# Allegro board RUBUS_20173009.brd
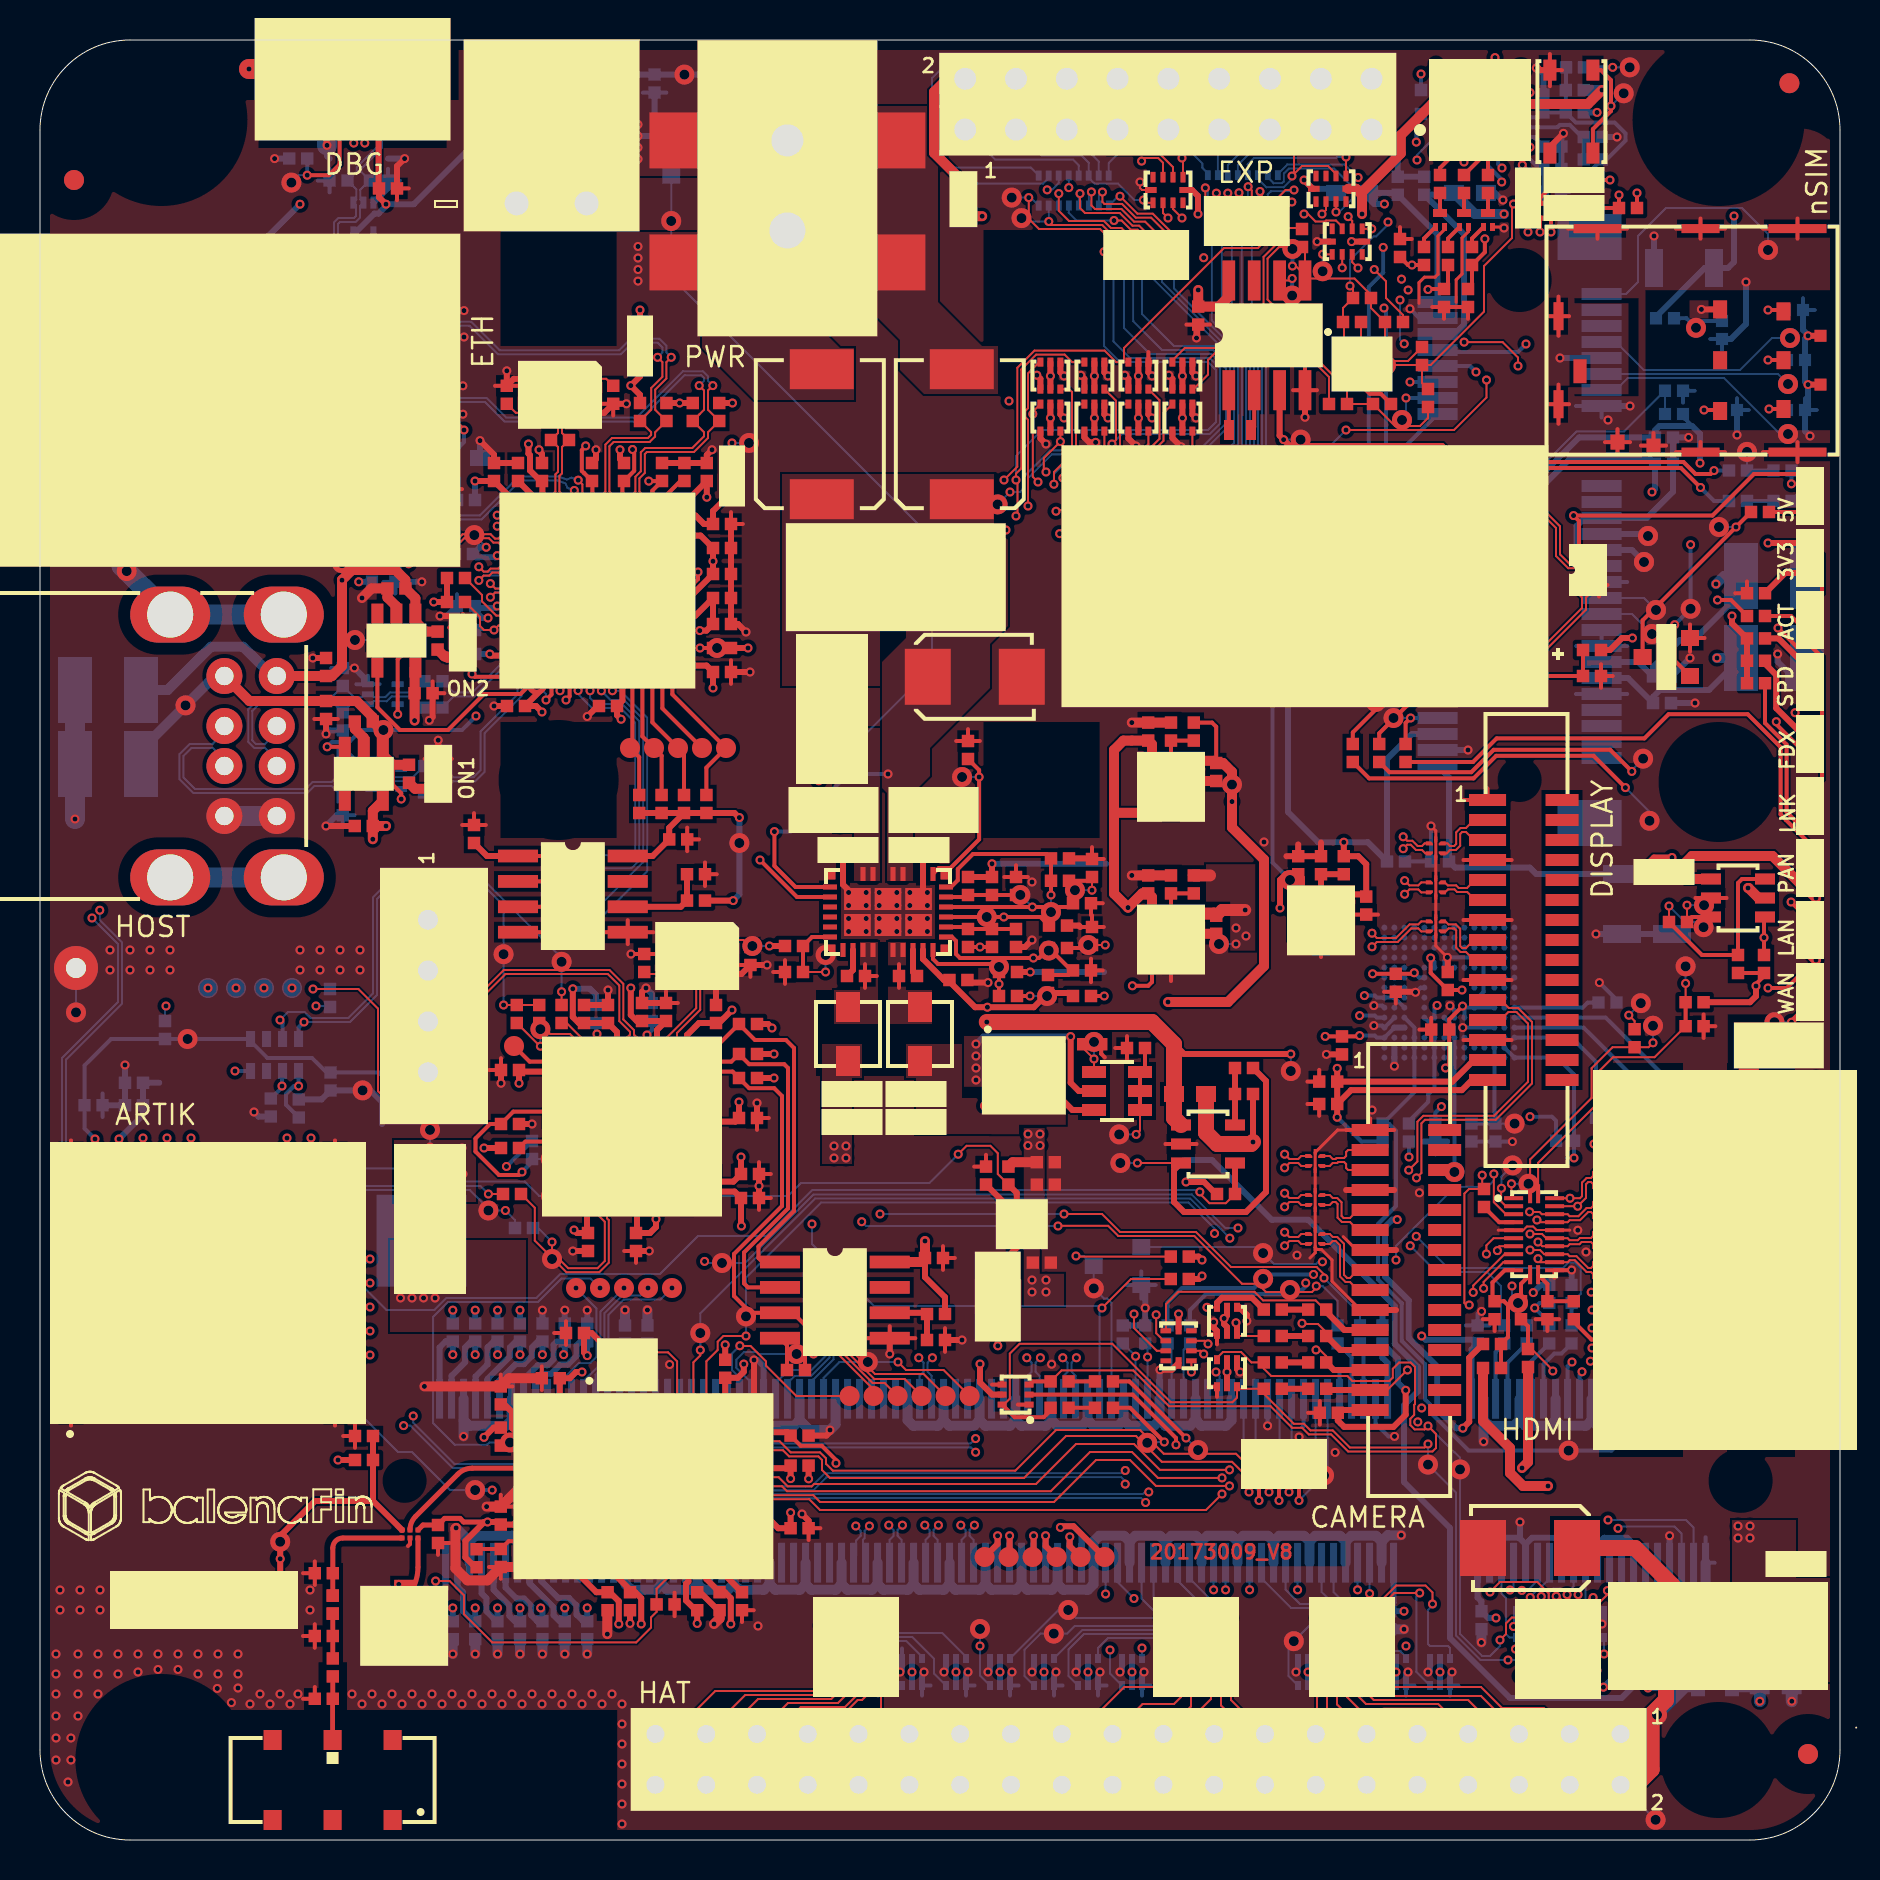
[diagram p0: board, top side]
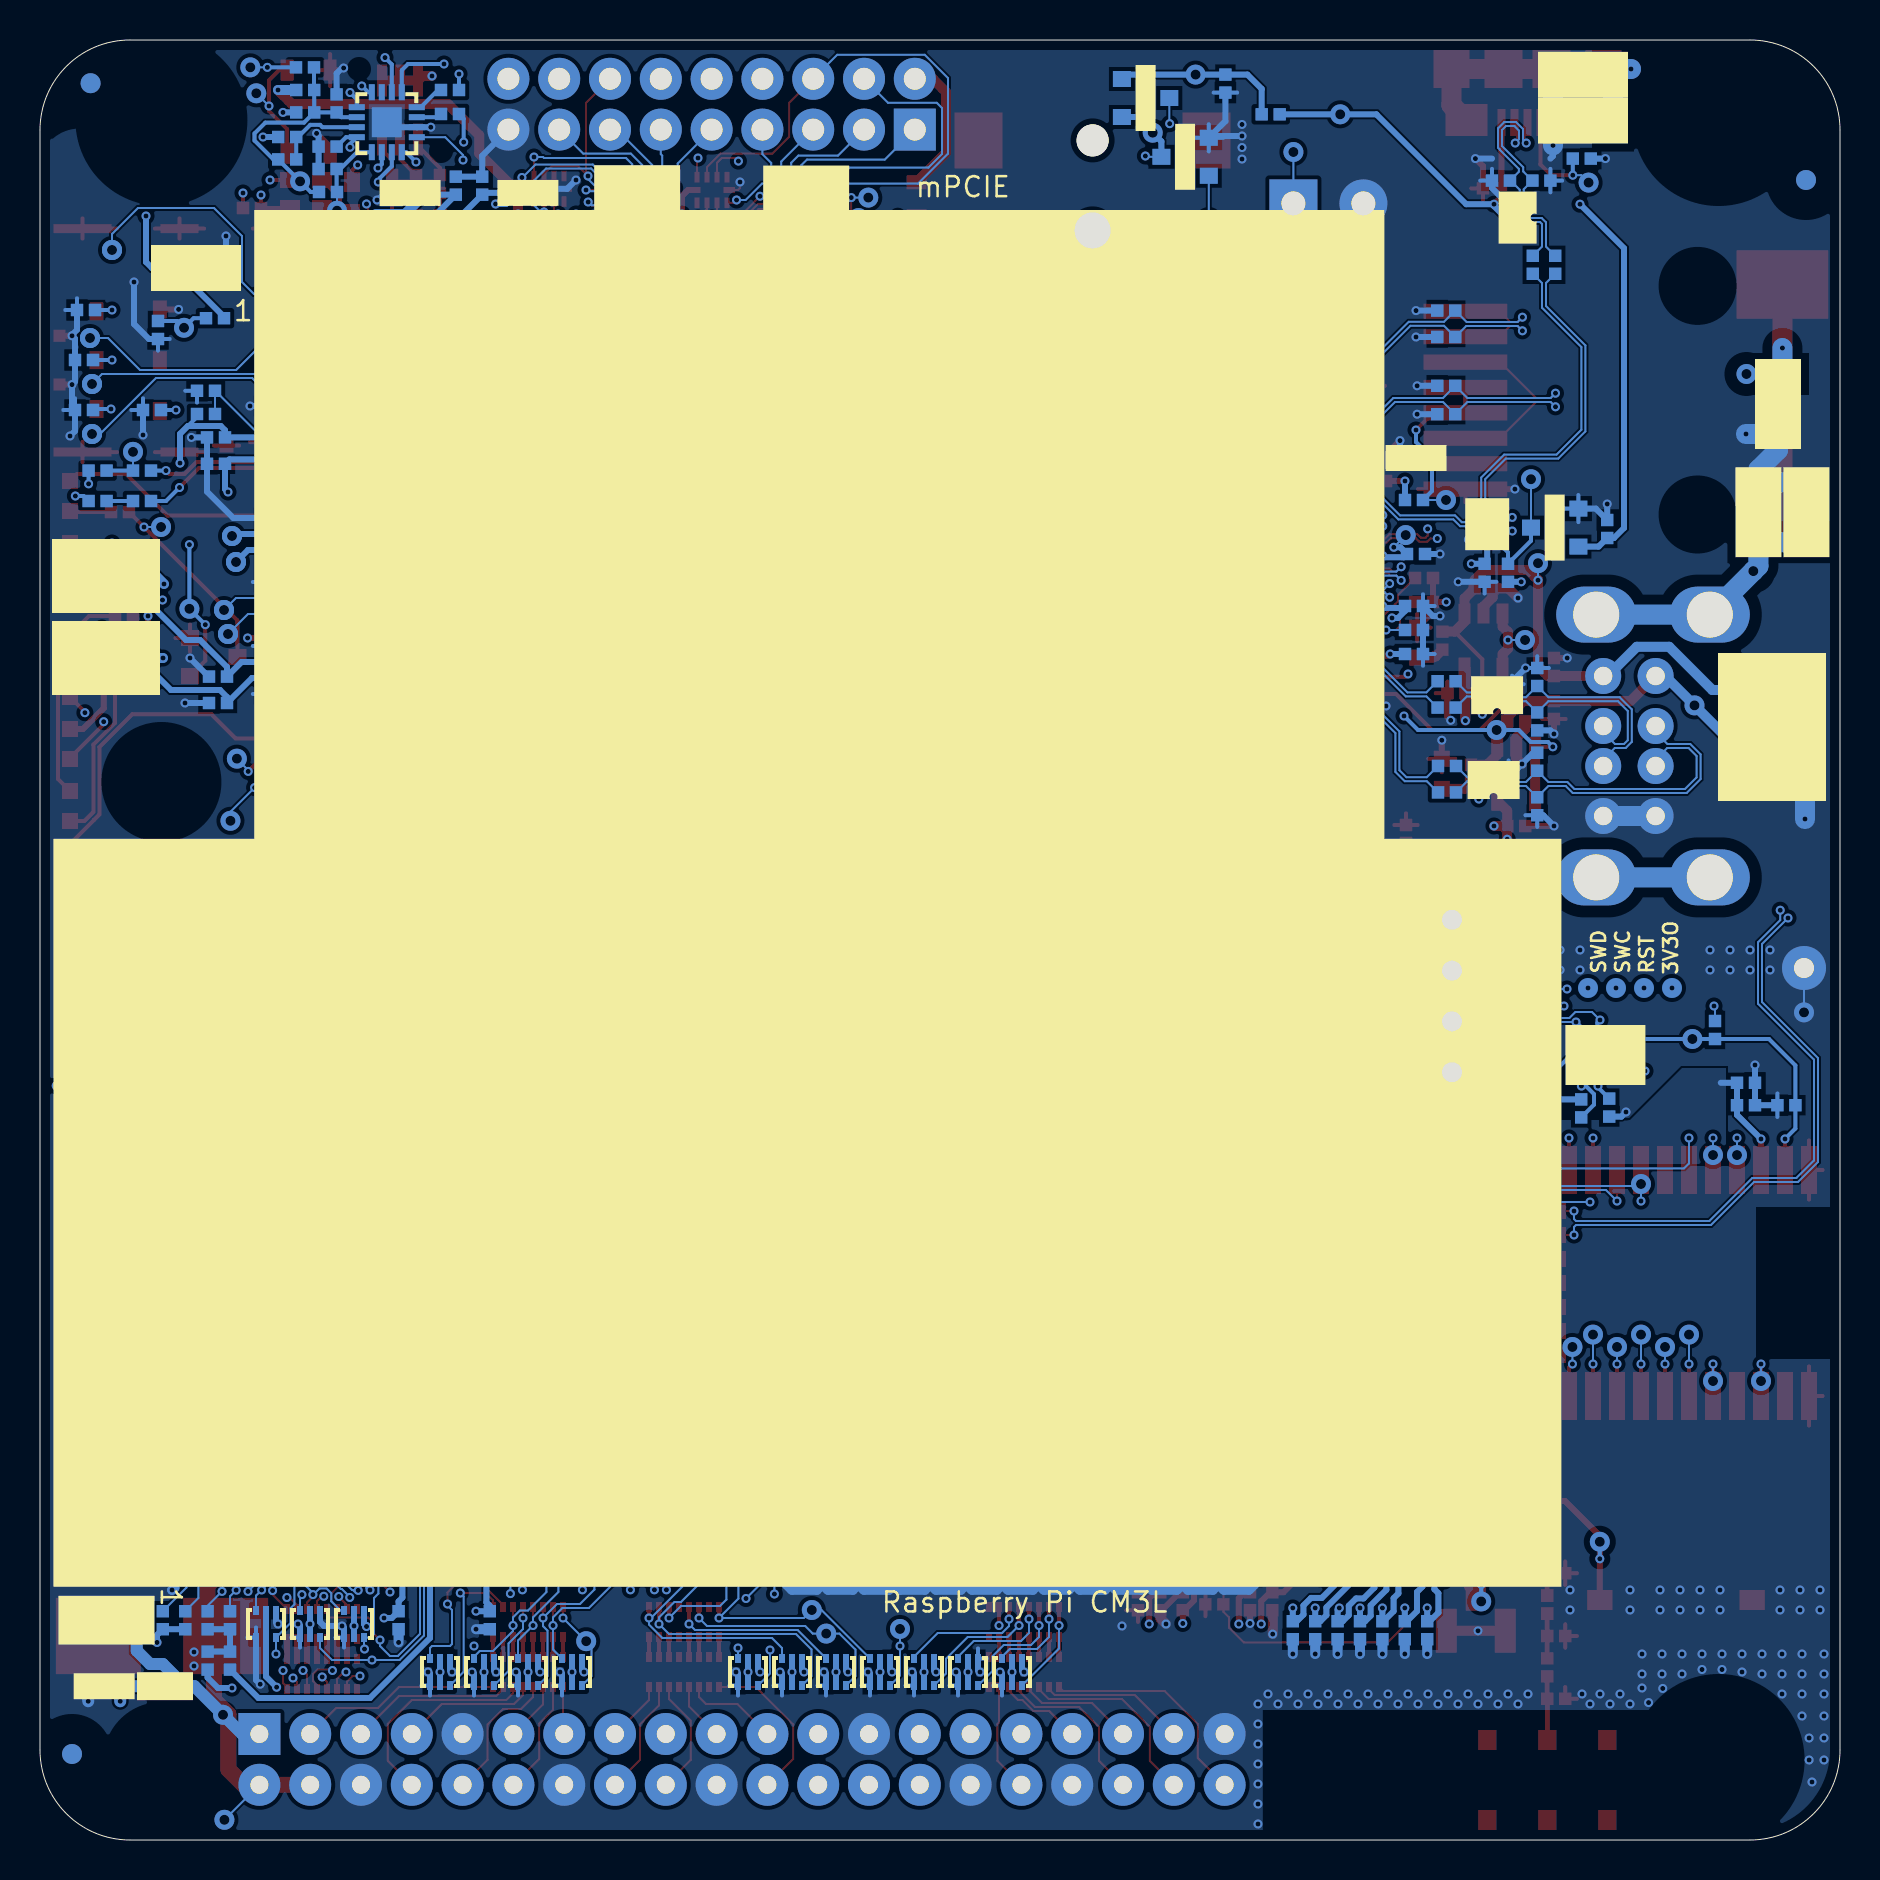
[diagram p1: board, bottom side, seen from below]

Outline 90 x 90 mm; copper layers: TOP, GND, INT1, INT2, POWER, BOTTOM. Coordinates in mm from the lower left corner of the outline.
Outline path: 0,85.5 0,4.5 arc(1.32,1.32) 4.5,0 85.5,0 arc(88.68,1.32) 90,4.5 90,85.5 arc(88.68,88.68) 85.5,90 4.5,90 arc(1.32,88.68) 0,85.5

## Design rules (mm)
constraint set DEFAULT: min track width 0.1, pair gap 0.1
net group CAM1_D0: nets CAM1_DN0 CAM1_DP0
net group CAM1_D1: nets CAM1_DN1 CAM1_DP1
net group CAM_C: nets CAM1_CN CAM1_CP
net group CAM_CK_EXT: nets CAM1_CK+_EXT CAM1_CK-_EXT
net group CAM_D0_EXT: nets CAM1_D0+_EXT CAM1_D0-_EXT
net group CAM_D1_EXT: nets CAM1_D1+_EXT CAM1_D1-_EXT
net group D_DBG: nets D+_DBG D-_DBG
net group D_HOST1: nets D+_HOST1 D-_HOST1
net group D_HOST2: nets D+_HOST2 D-_HOST2
net group DISP_CLK_EXT: nets DISP_CLK+_EXT DISP_CLK-_EXT
net group DISP_D0_EXT: nets DISP_D0+_EXT DISP_D0-_EXT
net group DISP_D1_EXT: nets DISP_D1+_EXT DISP_D1-_EXT
net group DSI1_CLK: nets DSI1_CN DSI1_CP
net group DSI1_D0: nets DSI1_DN0 DSI1_DP0
net group DSI1_D1: nets DSI1_DN1 DSI1_DP1
net group ETH_RX: nets ETH_RX+ ETH_RX-
net group ETH_TX: nets ETH_TX+ ETH_TX-
net group HDMI_CK: nets HDMI_CK+ HDMI_CK-
net group HDMI_D0: nets HDMI_D0+ HDMI_D0-
net group HDMI_D1: nets HDMI_D1+ HDMI_D1-
net group HDMI_D2: nets HDMI_D2+ HDMI_D2-
net group USB: nets USB_DM USB_DP
net group USB_DBG: nets USB_DBG_D+ USB_DBG_D-
net group USB_HOST1: nets USB_HOST1_D+ USB_HOST1_D-
net group USB_HOST2: nets USB_HOST2_D+ USB_HOST2_D-
net group USB_HUB: nets USB_HUB_D+ USB_HUB_D-
net group USB_JTAG: nets USB_JTAG+ USB_JTAG-
net group USB_MPCIE: nets USB_MPCIE_D+ USB_MPCIE_D-
net group 60950_2-1500-SEC71-1: nets EE_CS EE_DI N18441109

## Placement (name value [footprint] x y rotation side)
ANT1  AH104N2450D1-T  [ANT-AH104N]  14.63 3 180 top
BAT1  SMTU1225-LF  [BAT-SMTU1225]  63.22 63.19 180 top
C1  10n/50V  [CS-C-0402]  82.87 25.28 90 bottom
C2  10u/6.3V-X5R  [CS-C-0402]  81.75 25.28 90 bottom
C3  100n/16V  [CS-C-0402]  82.73 40.69 0 top
C4  100n/16V  [CS-C-0402]  72.07 10.99 90 bottom
C5  10u/6.3V-X5R  [CS-C-0402]  71.88 25.28 90 bottom
C6  100n/16V  [CS-C-0402]  67.51 10.99 90 bottom
C7  10u/6.3V-X5R  [CS-C-0402]  67.12 25.28 90 bottom
C8  10n/1kV  [CS-C-1206]  86.94 39.73 180 top
C9  100n/16V  [CS-C-0402]  72.73 26.49 270 top
C10  100n/16V  [CS-C-0402]  75.37 26.49 270 top
C11  100n/16V  [CS-C-0402]  64.41 36.8 180 top
C12  100n/16V  [CS-C-0402]  64.41 37.92 180 top
C13  100n/16V  [CS-C-0402]  27.36 10.49 90 bottom
C14  10u/6.3V-X5R  [CS-C-0402]  27.36 25.38 90 bottom
C15  100n/16V  [CS-C-0402]  26.24 10.49 90 bottom
C16  10u/6.3V-X5R  [CS-C-0402]  26.24 25.38 90 bottom
C17  100n/16V  [CS-C-0402]  25.12 10.49 90 bottom
C18  10u/6.3V-X5R  [CS-C-0402]  25.12 25.38 90 bottom
C19  100n/16V  [CS-C-0402]  24 10.49 90 bottom
C20  10u/6.3V-X5R  [CS-C-0402]  24 25.38 90 bottom
C21  100n/16V  [CS-C-0402]  22.88 10.49 90 bottom
C22  10u/6.3V-X5R  [CS-C-0402]  22.88 25.38 90 bottom
C23  100n/16V  [CS-C-0402]  21.76 10.49 90 bottom
C24  10u/6.3V-X5R  [CS-C-0402]  21.76 25.38 90 bottom
C25  100n/16V  [CS-C-0402]  20.64 10.49 90 bottom
C26  10u/6.3V-X5R  [CS-C-0402]  20.64 25.38 90 bottom
C27  1u/16V-X5R  [CS-C-0402]  58.81 53.4 270 top
C28  1u/16V-X5R  [CS-C-0402]  55.41 55.42 90 top
C39  1u/16V-X5R  [CS-C-0402]  58.81 45.76 270 top
C40  1u/16V-X5R  [CS-C-0402]  55.41 47.78 90 top
C42  1u/16V-X5R  [CS-C-0402]  66.31 46.72 270 top
C43  1u/16V-X5R  [CS-C-0402]  62.91 48.74 90 top
C44  27p/50V-C0G  [CS-C-0402]  35.52 44.2 270 top
C45  27p/50V-C0G  [CS-C-0402]  30.21 43.85 90 top
C50  330p/50V-C0G  [CS-C-0402]  23.5 35.8 0 top
C60  NU  [CS-C-0402]  14.19 7.06 180 top
C61  100n/16V  [CS-C-0402]  64.44 21.36 180 top
C63  100n/16V  [CS-C-0402]  16.19 50.7 180 top
C64  100n/16V  [CS-C-0402]  16.19 55.92 180 top
C68  NU  [CS-C-0402]  15.14 51.69 270 bottom
C69  NU  [CS-C-0402]  15.14 53.91 90 bottom
C70  100n/16V  [CS-C-0402]  14.3 56.5 270 top
C71  10n/1kV  [CS-C-1206]  1.68 66.39 270 bottom
C75  100n/16V  [CS-C-0402]  19.18 57.34 0 top
C76  100n/16V  [CS-C-0402]  17.82 62.58 180 top
C77  NU  [CS-C-0402]  15.14 55.93 270 bottom
C78  NU  [CS-C-0402]  15.14 58.15 90 bottom
C79  100n/16V  [CS-C-0402]  14.3 58.65 90 top
C85  100n/16V  [CS-C-0402]  17.77 63.36 270 bottom
C86  NU  [CS-C-0402]  14.93 82.97 180 bottom
C87  NU  [CS-C-0402]  16.95 82.97 0 bottom
C88  100n/16V  [CS-C-0402]  17.4 82.58 0 top
C89  10n/1kV  [CS-C-1206]  12.85 88.26 180 bottom
C91  100n/16V  [CS-C-0402]  2.68 36.74 0 bottom
C92  100n/16V  [CS-C-0402]  4.7 36.74 180 bottom
C93  10u/6.3V-X5R  [CS-C-0402]  4.7 37.86 180 bottom
C107  1u/16V-X5R  [CS-C-0402]  72.77 35.37 90 bottom
C108  100n/16V  [CS-C-0402]  71.57 35.37 90 bottom
C109  100n/16V  [CS-C-0402]  65.1 39.73 90 top
C110  2.2u/6.3V-X5R  [CS-C-0402]  70.39 42.95 270 top
C111  100n/16V  [CS-C-0402]  70.01 40.52 0 top
C112  2.2u/6.3V-X5R  [CS-C-0402]  67.79 42.86 90 top
C113  10u/10V-X5R  [CS-C-0603]  86.79 7.69 0 bottom
C114  10u/10V-X5R  [CS-C-0603]  87.8 13.8 0 top
C115  10u/10V-X5R  [CS-C-0603]  71.5 82.36 180 bottom
C116  10u/10V-X5R  [CS-C-0603]  65.61 82.36 0 bottom
C117  100n/16V  [CS-C-0402]  69.21 82.72 90 bottom
C118  100n/16V  [CS-C-0402]  67.89 82.72 90 bottom
C119  100n/16V  [CS-C-0402]  81.2 70.13 0 bottom
C120  100n/16V  [CS-C-0402]  81.2 68.81 0 bottom
C121  100n/16V  [CS-C-0402]  81.1 58.17 180 bottom
C122  100n/16V  [CS-C-0402]  81.1 56.85 180 bottom
C123  100n/16V  [CS-C-0402]  67.8 48.93 0 bottom
C124  100n/16V  [CS-C-0402]  70 48.93 180 bottom
C134  10n/1kV  [CS-C-1206]  3.1 71.8 90 bottom
C135  22n/50V  [CS-C-0603]  21.2 69.1 0 bottom
C136  15p/50V-NP0  [CS-C-0402]  19.69 76.47 0 bottom
C137  15p/50V-NP0  [CS-C-0402]  19.69 75.15 0 bottom
C138  15p/50V-NP0  [CS-C-0402]  19.69 72.71 0 bottom
C139  15p/50V-NP0  [CS-C-0402]  19.69 71.29 0 bottom
C140  100n/16V  [CS-C-0402]  31.91 50.03 0 top
C147  33p/50V-C0G  [CS-C-0402]  28.66 72.26 270 top
C148  33p/50V-C0G  [CS-C-0402]  23.34 72.26 90 top
C149  1u/16V-X5R  [CS-C-0402]  50.09 28.87 0 top
C150  10u/6.3V-X5R  [CS-C-0402]  50.29 32.77 0 top
C151  10u/6.3V-X5R  [CS-C-0402]  50.29 33.89 0 top
C152  100n/16V  [CS-C-0402]  47.3 33.22 90 top
C153  33p/50V-C0G  [CS-C-0402]  87.7 76.5 0 bottom
C154  33p/50V-C0G  [CS-C-0402]  87.8 74 0 bottom
C155  33p/50V-C0G  [CS-C-0402]  87.8 71.5 0 bottom
C156  33p/50V-C0G  [CS-C-0402]  84.4 71.5 0 bottom
C157  100n/16V  [CS-C-0402]  33.8 41.3 270 top
C158  100n/16V  [CS-C-0402]  31.3 41.4 270 top
C159  100n/16V  [CS-C-0402]  28.4 41.3 270 top
C160  4.7u/6.3V-X5R  [CS-C-0402]  30.1 41.4 270 top
C161  4.7u/6.3V-X5R  [CS-C-0402]  27.2 41.3 270 top
C162  100n/16V  [CS-C-0402]  23.5 38.5 180 top
C163  100n/16V  [CS-C-0402]  27.4 29.9 270 top
C164  100n/16V  [CS-C-0402]  29.8 29.9 270 top
C165  100n/16V  [CS-C-0402]  35.4 36.1 180 top
C166  100n/16V  [CS-C-0402]  35.5 33.3 180 top
C167  4.7u/6.3V-X5R  [CS-C-0402]  35.5 32.1 0 top
C168  100n/16V  [CS-C-0402]  44.7 29.1 0 top
C170  100n/16V  [CS-C-0402]  21.2 64.3 0 bottom
C171  100n/16V  [CS-C-0402]  21.3 61.7 0 bottom
C172  100n/16V  [CS-C-0402]  33.34 68.4 270 top
C173  100n/16V  [CS-C-0402]  31.1 68.4 270 top
C174  100n/16V  [CS-C-0402]  29.2 68.4 270 top
C175  100n/16V  [CS-C-0402]  27.6 68.4 270 top
C176  100n/16V  [CS-C-0402]  22.7 68.4 270 top
C177  100n/16V  [CS-C-0402]  34.1 64.6 0 top
C178  100n/16V  [CS-C-0402]  34.1 63.3 0 top
C179  100n/16V  [CS-C-0402]  34.1 58.4 0 top
C180  100n/16V  [CS-C-0402]  28.4 56.7 180 top
C181  100n/16V  [CS-C-0402]  23.8 56.7 180 top
C182  100n/16V  [CS-C-0402]  34.1 60.8 0 top
C183  100n/16V  [CS-C-0402]  21.3 59.3 0 bottom
C184  4.7u/6.3V-X5R  [CS-C-0402]  34.1 62.1 0 top
C185  1u/16V-X5R  [CS-C-0402]  25.1 68.4 270 top
C186  100n/16V  [CS-C-0402]  34.1 65.8 0 top
C187  10n/50V  [CS-C-0402]  21.3 60.5 0 bottom
C188  100n/16V  [CS-C-0402]  57.91 76.22 270 top
C189  10u/6.3V-X5R  [CS-C-0402]  37.98 15.59 180 top
C190  10u/6.3V-X5R  [CS-C-0402]  32.86 11.94 270 top
C191  10u/6.3V-X5R  [CS-C-0402]  23.04 16.22 270 top
C192  10u/6.3V-X5R  [CS-C-0402]  37.98 18.72 180 top
C193  10u/6.3V-X5R  [CS-C-0402]  34.26 23.56 270 top
C194  10u/6.3V-X5R  [CS-C-0402]  33.98 11.94 90 top
C195  10u/6.3V-X5R  [CS-C-0402]  37.98 20.22 180 top
C196  10u/6.3V-X5R  [CS-C-0402]  25.54 23.09 0 top
C197  10u/6.3V-X5R  [CS-C-0402]  28.38 11.94 90 top
C198  10u/6.3V-X5R  [CS-C-0402]  29.5 11.94 90 top
C199  10u/6.3V-X5R  [CS-C-0402]  35.1 11.94 90 top
C201  NU  [CS-C-0402]  14.19 10.2 180 top
C202  0.6p/50V-C0G  [CS-C-0402]  14.64 8.63 270 top
C204  100n/16V  [CS-C-0402]  75.17 86.83 90 bottom
C205  100u/10V-X5R  [CS-C-1210]  86.7 59.2 180 bottom
C206  100u/10V-X5R  [CS-C-1210]  86.7 63.3 180 bottom
C207  22u/25V-X5R  [CS-C-1206]  82.2 78.6 180 bottom
C208  22u/25V-X5R  [CS-C-1206]  79.1 46.8 270 bottom
C209  22u/25V-X5R  [CS-C-1206]  81.6 46.8 270 bottom
C210  100n/16V  [CS-C-0402]  19.9 15.3 90 top
C211  100n/16V  [CS-C-0402]  77.6 58.2 0 top
C212  NU  [CS-C-0402]  51 49.08 180 top
C213  220p/50V  [CS-C-0402]  52.6 48.6 270 top
C214  10n/50V  [CS-C-0402]  52.1 46.84 180 top
C215  10n/50V  [CS-C-0402]  50.9 45.72 180 top
C216  220p/50V  [CS-C-0402]  52.6 45.2 270 top
C217  NU  [CS-C-0402]  52.1 43.48 180 top
C218  NU  [CS-C-0402]  43.4 43.2 180 top
C219  NU  [CS-C-0402]  40.8 43.2 0 top
C220  4.7p/50V-C0G  [CS-C-0402]  46.4 45.1 90 top
C221  4.7p/50V-C0G  [CS-C-0402]  46.4 47.7 270 top
C222  22u/25V-X5R  [CS-C-1206]  39.67 51.5 180 top
C223  100n/50V  [CS-C-0603]  40.4 49.5 180 top
C224  22u/25V-X5R  [CS-C-1206]  44.67 51.5 0 top
C225  100n/50V  [CS-C-0603]  43.95 49.5 0 top
C226  1u/16V-X5R  [CS-C-0402]  45.92 43 0 top
C227  22u/10V/X5R  [CS-C-0603]  43.8 37.3 180 top
C228  22u/10V/X5R  [CS-C-0603]  43.8 35.9 180 top
C229  22u/10V/X5R  [CS-C-0603]  40.6 37.3 0 top
C230  22u/10V/X5R  [CS-C-0603]  40.6 35.9 0 top
C231  10n/50V  [CS-C-0402]  26.75 25.35 180 top
C232  100u/10V-X5R  [CS-C-1210]  3.4 57.6 180 bottom
C234  100u/10V-X5R  [CS-C-1210]  3.4 53.9 180 bottom
DS1  BAV99BRVA-7  [SOT563]  48.78 22.27 90 top
DS2  CDBC560-G  [SMC]  39.09 70.29 90 top
DS3  CDBC560-G  [SMC]  46.09 70.29 90 top
DS4  BAV99BRVA-7  [SOT563]  59.35 25.96 180 top
DS5  BAV99BRVA-7  [SOT563]  59.35 23.34 0 top
DS7  BAV99BRVA-7  [SOT563]  57.12 71.12 0 top
DS8  BAV99BRVA-7  [SOT563]  54.92 71.12 0 top
DS9  BAV99BRVA-7  [SOT563]  52.72 71.12 0 top
DS10  BAV99BRVA-7  [SOT563]  50.52 71.12 0 top
DS11  BAV99BRVA-7  [SOT563]  70 8.4 180 bottom
DS12  BAV99BRVA-7  [SOT563]  67.8 8.4 0 bottom
DS13  BAV99BRVA-7  [SOT563]  65.6 8.4 0 bottom
DS14  BAV99BRVA-7  [SOT563]  63.4 8.4 0 bottom
DS15  BAV99BRVA-7  [SOT563]  78.7 10.8 0 bottom
DS16  BAV99BRVA-7  [SOT563]  76.5 10.8 180 bottom
DS17  BAV99BRVA-7  [SOT563]  74.3 10.8 180 bottom
DS18  BAV99BRVA-7  [SOT563]  54.6 8.4 180 bottom
DS19  BAV99BRVA-7  [SOT563]  52.4 8.4 0 bottom
DS20  BAV99BRVA-7  [SOT563]  50.2 8.4 0 bottom
DS21  BAV99BRVA-7  [SOT563]  48 8.4 180 bottom
DS22  BAV99BRVA-7  [SOT563]  45.8 8.4 0 bottom
DS23  BAV99BRVA-7  [SOT563]  43.6 8.4 0 bottom
DS24  BAV99BRVA-7  [SOT563]  41.4 8.4 0 bottom
DS25  BAV99BRVA-7  [SOT563]  57.12 73.22 0 top
DS26  BAV99BRVA-7  [SOT563]  54.92 73.22 180 top
DS27  BAV99BRVA-7  [SOT563]  52.72 73.22 180 top
DS28  BAV99BRVA-7  [SOT563]  50.52 73.22 180 top
DS31  1A/60V  [SMA]  19.5 33.3 270 top
DS32  1A/60V  [SMA]  39.6 58.8 270 top
DSW1  DIP-SW-CHS-01TB  [DSS-CHS-01TB]  8.2 12 90 top
F1  0154003-DR  [F-LT154]  42.79 63.14 0 top
F2  0.1A/15V  [FS-0603]  46.17 82.04 270 top
F3  0.1A/15V  [FS-0603]  83.75 7.69 180 bottom
F4  0154003-DR  [F-LT154]  83.9 10.2 0 top
FID1  TPS  [FIDUCIAL]  1.7 83 0 top
FID2  TPS  [FIDUCIAL]  88.4 4.3 0 top
FID3  TPS  [FIDUCIAL]  88.4 4.3 180 bottom
FID4  TPS  [FIDUCIAL]  1.7 83 180 bottom
FID5  TPS  [FIDUCIAL]  87.47 87.84 0 top
FID6  TPS  [FIDUCIAL]  87.47 87.84 180 bottom
J1  HDMI-TypeA  [J-19-0050-FOS-HDMI-A-CNCTECH]  86.05 29 90 top
J2  SODIMM-CM3L-1473005-4  [J-200-0060-MOS-1473005-4]  51.63 18.06 180 bottom
J3  1-1734248-5  [J-15X2-0100-FDS-ZIF]  74.23 45 90 top
J7  PJ-002AH-SMT  [J-CUPJ002AH]  37.37 84.98 270 top
J9  uFL-R-SMT-1-10  [J-3-MDS-UFL]  18.21 10.46 180 top
J10  1-1734248-5  [J-15X2-0100-FDS-ZIF]  68.36 28.5 90 top
J11  USB TYPE A - 1002-004-01010  [J-8-0200-FOT-USB-A-2X]  11.84 54.7 90 top
J13  MICROUSB-B  [J-5-0065-FOS-MICROUSB10118192]  15.63 86 180 top
J14  STRIP 9Px2 - MDT  [J-9X2-0254-MDT]  46.26 85.52 0 top
J18  STRIP 20Px2 - MDT  [J-20X2-0254-MDT]  79.03 5.3 180 top
J19  mPCIE-52P-2041119  [J-26X2-0080-FOS-2041119]  73.98 65.3 270 bottom
J20  RJ45-J0C-0006NL  [J-RJ45-J0C0006NL]  21.02 80.32 270 top
J21  MC-MOT-2P  [J-2-0350-MOT-MC]  27.33 81.83 90 top
J22  NanoSIM - SF72S006VBAR2500  [J-NANOSIM-SF72S006VBA]  77 73.44 90 top
J23  NU  [J-4-0254-MDT-MODUII]  19.4 42.21 270 top
L1  BLM15PX121SN1D  [LS-0402]  76.69 26.49 270 top
L2  TCE0806G9002P  [LS-TDKTCE0806G]  69.79 49.58 0 top
L3  TCE0806G9002P  [LS-TDKTCE0806G]  69.79 47.63 0 top
L4  TCE0806G9002P  [LS-TDKTCE0806G]  69.79 45.68 0 top
L10  L-07C2N2SV6T  [LS-0402]  14.19 13.34 0 top
L11  TCE0806G9002P  [LS-TDKTCE0806G]  63.76 33.95 180 top
L12  TCE0806G9002P  [LS-TDKTCE0806G]  63.76 32 180 top
L13  TCE0806G9002P  [LS-TDKTCE0806G]  63.76 30.05 180 top
L20  BLM18PG121SN1D  [LS-0603]  30 74.7 270 top
L21  BLM18PG121SN1D  [LS-0603]  34.6 68.2 270 top
L22  NU  [LS-0402]  14.64 11.77 270 top
L23  1u/5A  [LS-VIIHLP1212BZ11]  44 40.3 270 top
L24  1u/5A  [LS-VIIHLP1212BZ11]  40.4 40.3 270 top
LD4  GENERICO  [LD-0603]  88.5 67.2 90 top
LD5  GENERICO  [LD-0603]  88.5 64.1 90 top
LD8  ASMT-YTB7-0AA02  [LD-PLCC6-GUIDAVLP]  72 86.5 0 top
LD9  GENERICO  [LD-0603]  88.5 42.4 270 top
LD10  GENERICO  [LD-0603]  88.5 45.5 270 top
LD11  GENERICO  [LD-0603]  88.5 48.6 270 top
LD12  GENERICO  [LD-0603]  88.5 51.7 270 top
LD13  KPT-1608YC  [LD-0603]  88.5 57.9 90 top
LD14  GENERICO  [LD-0603]  88.5 54.8 90 top
LD15  GENERICO  [LD-0603]  19.91 53.31 270 top
LD16  GENERICO  [LD-0603]  21.14 59.87 270 top
LD17  GENERICO  [LD-0603]  88.5 61 90 top
MOD1  WYSBHVGXG  [MOD-WYSBHVGXG]  30.17 17.69 180 top
MOD2  ARTIK 020  [MOD-ARTIK-020]  0.7 21 90 top
NOREF  -  []  52.07 72.77 0 top
NOREF#2  -  []  63.9 7.72 90 top
NOREF#3  -  []  86.53 27.66 90 top
NOREF#4  -  []  14.64 11.32 90 top
NOREF#5  -  []  56.86 54.66 90 top
NOREF#6  -  []  82.5 48 90 top
NOREF#7  -  []  74.3 10.12 0 top
NOREF#8  -  []  30.68 25.42 90 top
NOREF#9  -  []  31.63 71.54 90 top
NOREF#10  -  []  68.9 83.47 0 top
NOREF#11  -  []  20.5 27.5 90 top
NOREF#12  -  []  35.91 86.15 90 top
NOREF#13  -  []  16.29 64.12 0 top
NOREF#14  -  []  86.56 9.97 0 top
NOREF#15  -  []  77.65 10.05 90 top
NOREF#16  -  []  15.14 57.7 90 top
NOREF#17  -  []  26.55 10.63 90 top
NOREF#18  -  []  20.66 61.59 90 top
NOREF#19  -  []  51.65 43.48 0 top
NOREF#20  -  []  34.6 67.4 90 top
NOREF#21  -  []  55.3 44.15 90 top
NOREF#22  -  []  9.3 42.6 0 top
NOREF#23  -  []  85.35 60.08 0 top
NOREF#24  -  []  16.95 82.58 0 top
NOREF#25  -  []  59.75 37.3 0 top
NOREF#26  -  []  33.65 64.6 0 top
NOREF#27  -  []  52.9 7.72 90 top
NOREF#28  -  []  4.08 64.89 90 top
NOREF#29  -  []  85.55 66.4 0 top
NOREF#30  -  []  35.05 32.1 0 top
NOREF#31  -  []  70.24 47.48 90 top
NOREF#32  -  []  33.53 87.1 0 top
NOREF#33  -  []  57.21 78.75 90 top
NOREF#34  -  []  30.06 26.04 0 top
NOREF#35  -  []  79.34 28.5 90 top
NOREF#36  -  []  62.8 45.1 90 top
NOREF#37  -  []  65.12 82.71 0 top
NOREF#38  -  []  80.05 21.12 0 top
NOREF#39  -  []  63.7 8.9 0 top
NOREF#40  -  []  47.61 33.36 90 top
NOREF#41  -  []  86.14 66.71 0 top
NOREF#42  -  []  53.29 82.97 90 top
NOREF#43  -  []  69.05 86.3 0 top
NOREF#44  -  []  57.69 47.33 90 top
NOREF#45  -  []  31.32 70.95 90 top
NOREF#46  -  []  10.93 82.5 0 top
NOREF#47  -  []  74 8.8 0 top
NOREF#48  -  []  23.59 69.16 0 top
NOREF#49  -  [unnamed#2]  6.07 86 0 top
NOREF#50  -  []  64.14 78.94 0 top
NOREF#51  -  []  55.72 47.92 90 top
NOREF#52  -  []  31.01 72.16 0 top
NOREF#53  -  []  13.74 10.2 0 top
NOREF#54  -  []  57.27 51.11 0 top
NOREF#55  -  []  42.95 9.65 90 top
NOREF#56  -  []  73.98 78 0 top
NOREF#57  -  []  39.05 10.15 0 top
NOREF#58  -  []  42.3 42 0 top
NOREF#59  -  []  46.09 54.36 0 top
NOREF#60  -  []  55.41 54.97 90 top
NOREF#61  -  []  11.35 85.97 0 top
NOREF#62  -  []  65.93 80.07 0 top
NOREF#63  -  []  29.51 67.64 90 top
NOREF#64  -  []  11.69 55.86 0 top
NOREF#65  -  []  28.94 26.04 0 top
NOREF#66  -  []  88.56 73.69 90 top
NOREF#67  -  []  60.88 24.19 0 top
NOREF#68  -  []  18.45 52.86 90 top
NOREF#69  -  []  68.89 79.96 0 top
NOREF#70  -  []  44.47 80.08 90 top
NOREF#71  -  []  42.38 22.2 0 top
NOREF#72  -  []  23.15 32.3 0 top
NOREF#73  -  []  24.87 14.09 0 top
NOREF#74  -  []  76.1 38 0 top
NOREF#75  -  []  38.65 9.65 0 top
NOREF#76  -  []  88.56 71.19 90 top
NOREF#77  -  []  75.15 82.4 0 top
NOREF#78  -  []  18.73 57.34 0 top
NOREF#79  -  []  16.6 62.91 90 top
NOREF#80  -  []  63.41 26.52 0 top
NOREF#81  -  []  70.55 80.65 90 top
NOREF#82  -  []  73.98 78 90 top
NOREF#83  -  []  72.19 25.42 90 top
NOREF#84  -  []  51.9 9.07 0 top
NOREF#85  -  []  77.8 36.12 0 top
NOREF#86  -  []  49.45 21.77 90 top
NOREF#87  -  []  60.34 38.91 0 top
NOREF#88  -  []  48.19 29.77 0 top
NOREF#89  -  []  32.87 98.98 0 top
NOREF#90  -  []  53.56 78.5 0 top
NOREF#91  -  []  20.41 12.71 0 top
NOREF#92  -  []  73.53 25.42 90 top
NOREF#93  -  []  58.54 32.61 0 top
NOREF#94  -  []  22.07 10.63 90 top
NOREF#95  -  []  2.88 66.2 90 top
NOREF#96  -  []  23.69 26.14 0 top
NOREF#97  -  []  24.32 18.59 0 top
NOREF#98  -  []  82.5 58.2 90 top
NOREF#99  -  []  35.45 86.55 0 top
NOREF#100  -  []  57.8 23.8 90 top
NOREF#101  -  []  36.94 45.01 0 top
NOREF#102  -  []  61.5 23.57 90 top
NOREF#103  -  []  63.57 71.49 90 top
NOREF#104  -  []  27.8 40.85 90 top
NOREF#105  -  []  47.95 42.2 0 top
NOREF#106  -  []  44.94 26.61 0 top
NOREF#107  -  []  73.94 84.62 90 top
NOREF#108  -  []  52.69 28.7 0 top
NOREF#109  -  []  65.95 7.95 0 top
NOREF#110  -  []  83.25 79.55 0 top